# Altium PCB ADCS_PCB_2.PcbDoc (part 1 of 3) (continued)
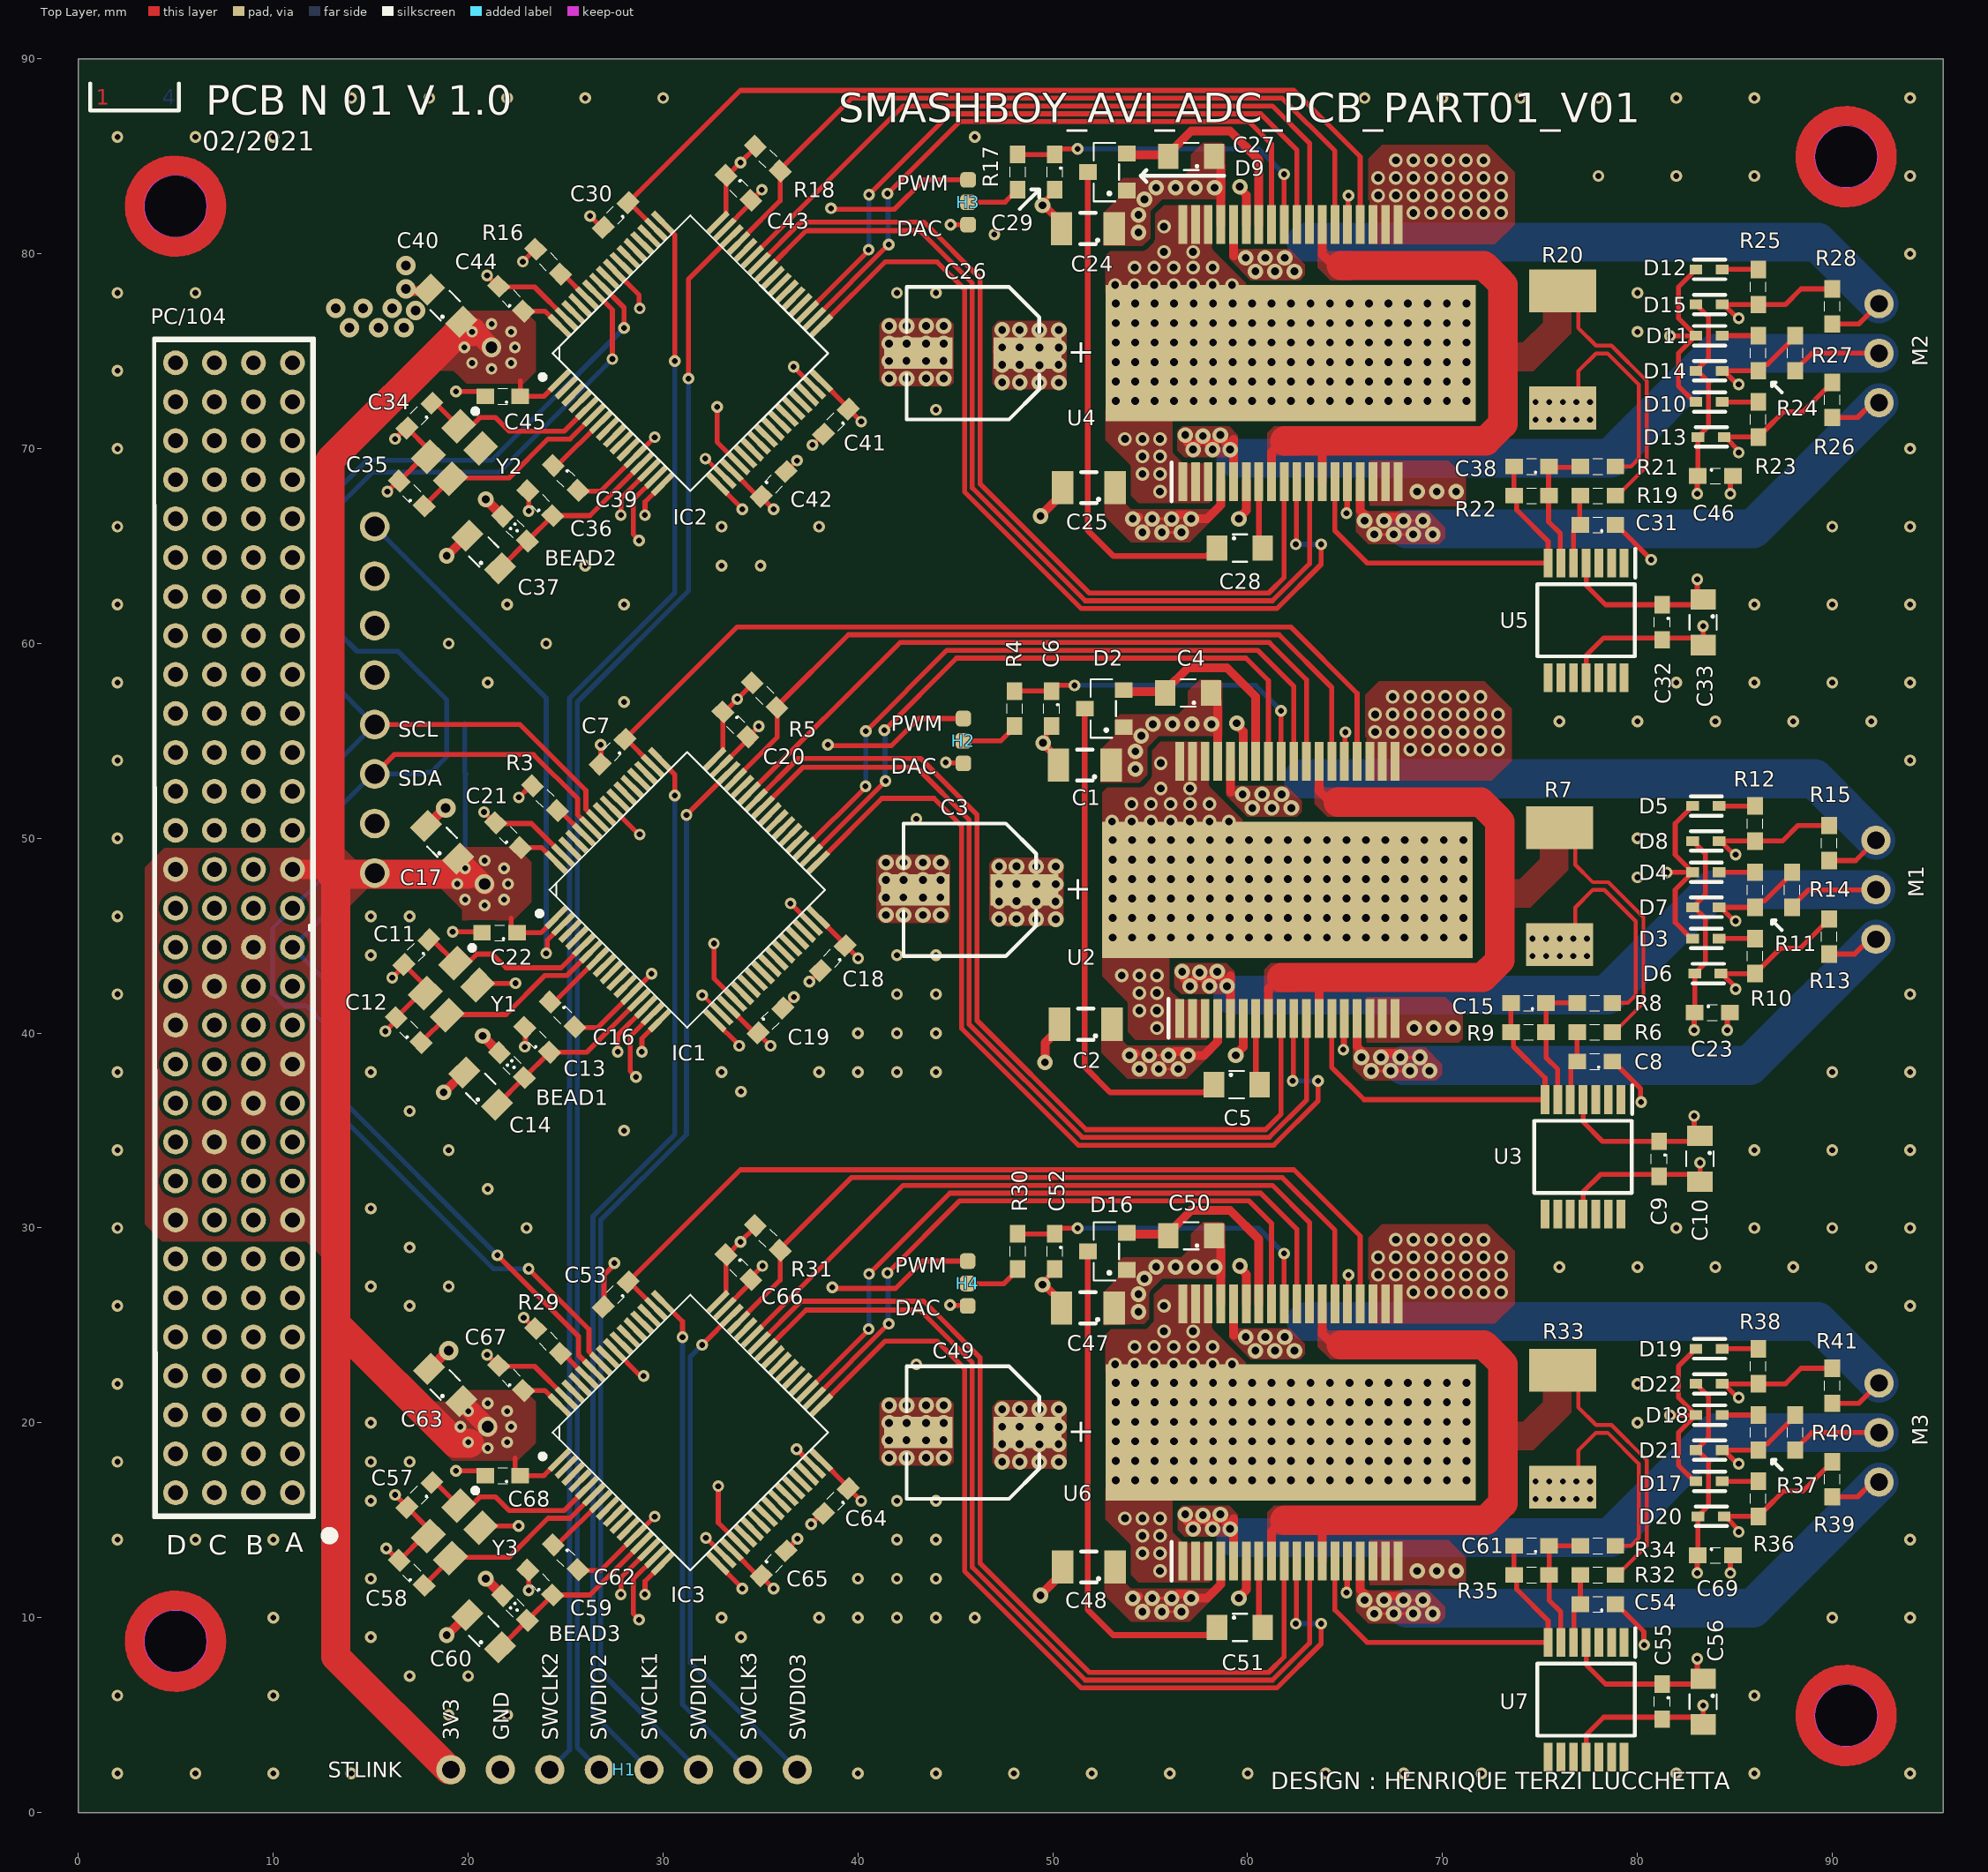
[diagram p0: Top Layer view]
## Nets (pads, with @x,y where several pads share a name; then routed paths per layer and width w, separated by ;. In a path a pad name is that pad's centre, name@x,y a point inside that pad or via, vN(x,y) a via of type N, cw(c..) or ccw(c..) an arc to the next point about the centre after c; other vN are vias at no path point) (continued)
  Top Layer w0.45: C17.1@19.491,48.969 C17.1@19.511,48.969 ; C63.1@19.651,21.109 C63.1@19.671,21.109 ; v5@20.86,47.55 v5@20.86,47.62 ; v5@21.02,19.69 v5@21.02,19.76
  Top Layer w0.5: v3(20.74,39.86) BEAD1.2@21.604,38.996 ; v3(20.9,12) BEAD3.2@21.764,11.136 ; v3(20.9,67.4) BEAD2.2@21.764,66.536
  Top Layer w1: PC/104.17@10.98,48.41 12.76,48.41 12.96,48.21 ; C17.1@19.511,48.969 20.14,48.34 v5@20.86,47.62 ; C63.1@19.615,21.109 C63.1@19.651,21.109 ; C63.1@19.671,21.109 v5@21.02,19.76 ; v2(20.2,76) 20.4,76 v5(21.2,75.2)
  Top Layer w1.5: 12.9,48.27 12.9,69.4 19.5,76 v2(20.2,76) ; 12.96,48.21 13.02,48.15 13.2,48.15 ; H1.1@19.11,2.2 19,2.2 13.2,8 13.2,25.1 ; 19.95,48.15 15.2,48.15 13.2,48.15 ; v2@20.05,18.95 19.35,18.95 13.2,25.1 ; 13.2,25.1 13.2,48.15
  Int2 (PWR) w0.254: 21.21,46.05 21.31,45.95 ; 21.37,18.19 21.47,18.09
  Int2 (PWR) w0.8: 20.74,40.85 37.01,40.85 ; 20.9,12.99 37.17,12.99 ; 20.9,68.39 37.17,68.39 ; 21.4,21.3 25.98,21.3 v2(33.97,29.29) ; 21.5,49.156 25.816,49.156 v2(33.81,57.15) ; 22.353,76.688 25.968,76.688 v2(33.97,84.69) ; v2(35.51,39.35) 37.01,40.85 ; v2(35.67,11.49) 37.17,12.99 ; v2(35.67,66.89) 37.17,68.39 ; v2(40.01,43.85) 37.01,40.85 ; v2(40.17,15.99) 37.17,12.99 ; v2(40.17,71.39) 37.17,68.39
  Int2 (PWR) w1: 80.01,32.45 82.91,35.35 v2(82.91,35.75) v2(82.91,40.15) ; 80.17,4.59 83.07,7.49 v2(83.07,7.89) v2(83.07,12.29) ; 80.17,59.99 83.07,62.89 v2(83.07,63.29) v2(83.07,67.69)
  Int2 (PWR) w1.5: 27.01,32.45 79.35,32.45 ; 27.17,4.59 79.51,4.59 ; 27.17,59.99 79.51,59.99
  Int2 (PWR) w2: v5@20.74,47.56 20.74,40.85 v3(20.74,39.86) 20.74,38.72 26.26,33.2 ; v5@20.9,19.7 20.9,12.99 v3(20.9,12) 20.9,10.86 26.42,5.34 ; v5(21.2,75.2) 21.75,74.65 ; 21.71,74.4 20.9,73.59 20.9,68.39 v3(20.9,67.4) 20.9,66.26 26.42,60.74
  Bottom Layer w0.254: v2@19.8,48.5 19.84,48.54 19.84,53.32 R2.2@19.82,53.34 ; R1.2@19.82,55.89 19.82,53.38 R2.2@19.9,53.3
  other v2: 21,18.7 20,19 22,19 19.6,19.8 22.2,19.8 20,20.6 22,20.6 21,21 20.84,46.56 19.84,46.86 21.84,46.86 19.44,47.66 22.04,47.66 19.84,48.46 21.84,48.46 20.84,48.86 21.2,74.1 20.2,74.4 22.2,74.4 19.8,75.2 22.4,75.2 22.2,76 21.2,76.4
  other v5: 21,19.8 20.84,47.66
12V: C1.1 C2.1 C3.2 C4.1 C24.1 C25.1 C26.2 C27.1 C47.1 C48.1 C49.2 C50.1 D1.2 D2.1 D9.1 D16.1 PC/104.29 PC/104.30 U2.4 U2.33 U4.4 U4.33 U6.4 U6.33 | length 118
  Top Layer w0.127: C3.2@46.812,47.45 46.853,47.45 47.022,47.618 C3.2@47.022,47.66 ; C49.2@46.972,19.59 47.013,19.59 47.182,19.758 C49.2@47.182,19.8 ; C26.2@46.972,74.99 47.013,74.99 47.182,75.158 C26.2@47.182,75.2 ; C3.2@47.34,46.76 C3.2@47.64,47.06 ; C49.2@47.5,18.9 C49.2@47.8,19.2 ; C26.2@47.5,74.3 C26.2@47.8,74.6 ; C3.2@47.631,47.069 C3.2@47.64,47.06 ; C49.2@47.791,19.209 C49.2@47.8,19.2 ; C26.2@47.791,74.609 C26.2@47.8,74.6 ; C3.2@47.931,46.769 C3.2@47.64,47.06 ; C49.2@48.091,18.909 C49.2@47.8,19.2 ; C26.2@48.091,74.309 C26.2@47.8,74.6 ; C3.2@48.24,47.66 C3.2@47.64,47.06 ; C49.2@48.4,19.8 C49.2@47.8,19.2 ; C26.2@48.4,75.2 C26.2@47.8,74.6 ; C3.2@48.931,47.069 49.24,46.76 C3.2@49.54,47.06 ; C49.2@49.091,19.209 49.4,18.9 C49.2@49.7,19.2 ; C26.2@49.091,74.609 49.4,74.3 C26.2@49.7,74.6 ; C3.2@49.531,47.069 C3.2@49.54,47.06 ; C49.2@49.691,19.209 C49.2@49.7,19.2 ; C26.2@49.691,74.609 C26.2@49.7,74.6 ; C3.2@49.831,46.769 C3.2@49.54,47.06 ; C49.2@49.991,18.909 C49.2@49.7,19.2 ; C26.2@49.991,74.309 C26.2@49.7,74.6 ; C3.2@50.14,47.66 C3.2@49.54,47.06 ; C49.2@50.3,19.8 C49.2@49.7,19.2 ; C26.2@50.3,75.2 C26.2@49.7,74.6 ; v3(54.44,38.16) 54.44,38.26 54.89,38.71 54.94,38.71 v3(54.94,38.86) ; v3(54.6,10.3) 54.6,10.4 55.05,10.85 55.1,10.85 v3(55.1,11) ; v3(54.6,65.7) 54.6,65.8 55.05,66.25 55.1,66.25 v3(55.1,66.4) ; v3@54.965,38.685 55.14,38.86 v3(55.94,38.86) 55.94,38.76 55.44,38.26 v3(55.44,38.16) v3(56.44,38.16) ; v3@55.125,10.825 55.3,11 v3(56.1,11) 56.1,10.9 55.6,10.4 v3(55.6,10.3) v3(56.6,10.3) ; v3@55.125,66.225 55.3,66.4 v3(56.1,66.4) 56.1,66.3 55.6,65.8 v3(55.6,65.7) v3(56.6,65.7)
  Top Layer w0.308: C3.2@46.94,47.66 47.022,47.66 v3(47.24,47.66) 48.24,47.66 48.24,46.778 48.222,46.76 C3.2@47.931,46.76 ; C49.2@47.1,19.8 47.182,19.8 v3(47.4,19.8) 48.4,19.8 48.4,18.918 48.382,18.9 C49.2@48.091,18.9 ; C26.2@47.1,75.2 47.182,75.2 v3(47.4,75.2) 48.4,75.2 48.4,74.318 48.382,74.3 C26.2@48.091,74.3 ; C3.2@49.14,47.66 49.24,47.66 50.14,47.66 50.14,46.778 50.122,46.76 C3.2@49.831,46.76 ; C49.2@49.3,19.8 49.4,19.8 50.3,19.8 50.3,18.918 50.282,18.9 C49.2@49.991,18.9 ; C26.2@49.3,75.2 49.4,75.2 50.3,75.2 50.3,74.318 50.282,74.3 C26.2@49.991,74.3
  Top Layer w0.45: v3(53.94,38.86) 54.007,38.927 54.207,38.927 v3@54.24,38.96 ; v3(54.1,11) 54.167,11.067 54.367,11.067 v3@54.4,11.1 ; v3(54.1,66.4) 54.167,66.467 54.367,66.467 v3@54.4,66.5 ; v3(55.94,38.86) 56.035,38.86 56.235,39.06 v3@56.84,39.06 ; v3(56.1,11) 56.195,11 56.395,11.2 v3@57,11.2 ; v3(56.1,66.4) 56.195,66.4 56.395,66.6 v3@57,66.6 ; v3(56.94,38.86) 57.753,38.86 58.465,39.572 U2.4@58.465,40.76 ; v3(57.1,11) 57.913,11 58.625,11.712 U6.4@58.625,12.9 ; v3(57.1,66.4) 57.913,66.4 58.625,67.112 U4.4@58.625,68.3 ; C4.1@58.115,57.46 58.115,57.335 58.465,56.985 U2.33@58.465,53.96 ; C50.1@58.275,29.6 58.275,29.475 58.625,29.125 U6.33@58.625,26.1 ; C27.1@58.275,85 58.275,84.875 58.625,84.525 U4.33@58.625,81.5
  Int2 (PWR) w2: v3@49.84,47.651 v3@49.84,48.551 ; v3@50,19.791 v3@50,20.691 ; v3@50,75.191 v3@50,76.091 ; 52.939,54.458 53.34,54.458 ; 53.099,26.598 53.5,26.598 ; 53.099,81.998 53.5,81.998
  Int2 (PWR) w4: v3@49.84,47.651 49.84,46.76 49.84,45.86 49.84,42.06 53.04,38.86 ; v3@49.84,48.551 49.84,51.359 52.939,54.458 ; v3@50,19.791 50,18.9 50,18 50,14.2 53.2,11 ; v3@50,20.691 50,23.499 53.099,26.598 ; v3@50,75.191 50,74.3 50,73.4 50,69.6 53.2,66.4 ; v3@50,76.091 50,78.899 53.099,81.998
  other v3: 47.4,18 48.3,18 49.309,17.991 50.309,17.991 47.4,18.9 49.309,18.891 50.3,18.9 48.291,18.909 49.309,19.791 50.309,19.791 48.3,19.8 47.4,20.7 48.3,20.7 49.309,20.691 50.309,20.691 54.4,25.7 54.4,26.6 54.7,27.4 55.3,28 56.3,28 57.3,28 58.3,28 49.149,45.851 50.149,45.851 47.24,45.86 48.14,45.86 47.24,46.76 49.149,46.751 50.14,46.76 48.131,46.769 49.149,47.651 50.149,47.651 48.14,47.66 47.24,48.56 48.14,48.56 49.149,48.551 50.149,48.551 54.24,53.56 54.24,54.46 54.54,55.26 55.14,55.86 56.14,55.86 57.14,55.86 58.14,55.86 47.4,73.4 48.3,73.4 49.309,73.391 50.309,73.391 47.4,74.3 49.309,74.291 50.3,74.3 48.291,74.309 48.3,75.2 49.309,75.191 50.309,75.191 47.4,76.1 48.3,76.1 49.309,76.091 50.309,76.091 54.4,81.1 54.4,82 54.7,82.8 55.3,83.4 56.3,83.4 57.3,83.4 58.3,83.4
BEMF1_M1: D6.1 IC1.14 R10.1 R13.1 | length 74.1
  Top Layer w0.254: v2(27.673,39.05) 27.673,39.904 IC1.14@29.119,41.35 ; D6.1@84.29,43.06 D6.1@84.365,43.06 ; v2(85.04,42.26) 84.974,42.326 84.974,42.426 84.488,42.912 84.488,42.937 D6.1@84.365,43.06 ; R13.1@89.84,45.86 89.84,45.81 89.567,45.537 89.517,45.537 88.34,44.36 87.34,44.36 86.363,43.383 86.313,43.383 86.04,43.11 R10.1@86.04,43.06 D6.1@84.365,43.06
  Int2 (PWR) w0.254: v2(27.673,39.05) 27.673,37.787 31.11,34.35 74.31,34.35 82.22,42.26 84.92,42.26 v2@85.01,42.35
BEMF1_M2: D13.1 IC2.14 R23.1 R26.1 | length 74.1
  Top Layer w0.254: v2(27.833,66.59) 27.833,67.444 IC2.14@29.279,68.89 ; D13.1@84.45,70.6 D13.1@84.525,70.6 ; v2(85.2,69.8) 85.134,69.866 85.134,69.966 84.648,70.452 84.648,70.477 D13.1@84.525,70.6 ; R26.1@90,73.4 90,73.35 89.727,73.077 89.677,73.077 88.5,71.9 87.5,71.9 86.523,70.923 86.473,70.923 86.2,70.65 R23.1@86.2,70.6 D13.1@84.525,70.6
  Int2 (PWR) w0.254: v2(27.833,66.59) 27.833,65.327 31.27,61.89 74.47,61.89 82.38,69.8 85.08,69.8 v2@85.17,69.89
BEMF1_M3: D20.1 IC3.14 R36.1 R39.1 | length 74.1
  Top Layer w0.254: v2(27.833,11.19) 27.833,12.044 IC3.14@29.279,13.49 ; D20.1@84.45,15.2 D20.1@84.525,15.2 ; v2(85.2,14.4) 85.134,14.466 85.134,14.566 84.648,15.052 84.648,15.077 D20.1@84.525,15.2 ; R39.1@90,18 90,17.95 89.727,17.677 89.677,17.677 88.5,16.5 87.5,16.5 86.523,15.523 86.473,15.523 86.2,15.25 R36.1@86.2,15.2 D20.1@84.525,15.2
  Int2 (PWR) w0.254: v2(27.833,11.19) 27.833,9.927 31.27,6.49 74.47,6.49 82.38,14.4 85.08,14.4 v2@85.17,14.49
BEMF2_M1: D7.1 IC1.15 R11.1 R14.1 | length 71.7
  Top Layer w0.254: v2(28.61,37.75) 28.61,37.772 28.31,38.072 28.31,39.834 IC1.15@29.472,40.996 ; D7.1@84.19,46.46 D7.1@84.265,46.46 ; v2(85.04,45.76) 84.965,45.76 D7.1@84.265,46.46 ; R14.1@87.94,48.26 87.94,48.21 86.513,46.783 86.313,46.783 86.04,46.51 R11.1@86.04,46.46 D7.1@84.265,46.46
  Int2 (PWR) w0.254: v2(28.61,37.75) 31.51,34.85 74.21,34.85 85.04,45.68 v2(85.04,45.76)
BEMF2_M2: D14.1 IC2.15 R24.1 R27.1 | length 71.7
  Top Layer w0.254: v2(28.77,65.29) 28.77,65.312 28.47,65.612 28.47,67.374 IC2.15@29.632,68.536 ; D14.1@84.35,74 D14.1@84.425,74 ; v2(85.2,73.3) 85.125,73.3 D14.1@84.425,74 ; R27.1@88.1,75.8 88.1,75.75 86.673,74.323 86.473,74.323 86.2,74.05 R24.1@86.2,74 D14.1@84.425,74
  Int2 (PWR) w0.254: v2(28.77,65.29) 31.67,62.39 74.37,62.39 85.2,73.22 v2(85.2,73.3)
BEMF2_M3: D21.1 IC3.15 R37.1 R40.1 | length 71.7
  Top Layer w0.254: v2(28.77,9.89) 28.77,9.912 28.47,10.212 28.47,11.974 IC3.15@29.632,13.136 ; D21.1@84.35,18.6 D21.1@84.425,18.6 ; v2(85.2,17.9) 85.125,17.9 D21.1@84.425,18.6 ; R40.1@88.1,20.4 88.1,20.35 86.673,18.923 86.473,18.923 86.2,18.65 R37.1@86.2,18.6 D21.1@84.425,18.6
  Int2 (PWR) w0.254: v2(28.77,9.89) 31.67,6.99 74.37,6.99 85.2,17.82 v2(85.2,17.9)
BEMF3_M1: D8.1 IC1.16 R12.1 R15.1 | length 74.3
  Top Layer w0.254: v2(28.91,39.05) 28.914,39.054 28.914,39.731 IC1.16@29.826,40.642 ; D8.1@84.19,49.86 84.265,49.86 84.965,49.16 v2(85.04,49.16) ; D8.1@84.313,49.86 R12.1@86.04,49.86 87.44,49.86 88.24,50.66 R15.1@89.84,50.66
  Int2 (PWR) w0.254: v2(28.91,39.05) 28.91,38.35 31.91,35.35 74.01,35.35 84.01,45.35 84.01,48.13 84.927,49.047 v2@84.927,49.133
BEMF3_M2: D15.1 IC2.16 R25.1 R28.1 | length 74.3
  Top Layer w0.254: v2(29.07,66.59) 29.074,66.594 29.074,67.271 IC2.16@29.986,68.182 ; D15.1@84.35,77.4 84.425,77.4 85.125,76.7 v2(85.2,76.7) ; D15.1@84.473,77.4 R25.1@86.2,77.4 87.6,77.4 88.4,78.2 R28.1@90,78.2
  Int2 (PWR) w0.254: v2(29.07,66.59) 29.07,65.89 32.07,62.89 74.17,62.89 84.17,72.89 84.17,75.67 85.087,76.587 v2@85.087,76.673
BEMF3_M3: D22.1 IC3.16 R38.1 R41.1 | length 74.3
  Top Layer w0.254: v2(29.07,11.19) 29.074,11.194 29.074,11.871 IC3.16@29.986,12.782 ; D22.1@84.35,22 84.425,22 85.125,21.3 v2(85.2,21.3) ; D22.1@84.473,22 R38.1@86.2,22 87.6,22 88.4,22.8 R41.1@90,22.8
  Int2 (PWR) w0.254: v2(29.07,11.19) 29.07,10.49 32.07,7.49 74.17,7.49 84.17,17.49 84.17,20.27 85.087,21.187 v2@85.087,21.273
C_REF_M1: H2.2 R4.2 | length 2.9
  Top Layer w0.254: H2.2@45.41,55 47.33,55 R4.2@48.04,55.71
C_REF_M2: H3.2 R17.2 | length 2.9
  Top Layer w0.254: H3.2@45.636,82.656 47.556,82.656 R17.2@48.266,83.366
C_REF_M3: H4.2 R30.2 | length 2.9
  Top Layer w0.254: H4.2@45.57,27.14 47.49,27.14 R30.2@48.2,27.85
CP+_M1: C15.2 R9.2 U2.13 U3.7 | length 19.7
  Top Layer w0.254: U2.13@64.315,40.76 64.315,38.245 65.972,36.588 U3.7@75.26,36.588 75.26,37.7 73.642,39.318 73.642,39.818 R9.2@73.51,39.95 ; R9.2@73.51,40.05 C15.2@73.51,41.55
CP+_M2: C38.2 R22.2 U4.13 U5.7 | length 19.7
  Top Layer w0.254: U4.13@64.475,68.3 64.475,65.785 66.132,64.128 U5.7@75.42,64.128 75.42,65.24 73.802,66.858 73.802,67.358 R22.2@73.67,67.49 ; R22.2@73.67,67.59 C38.2@73.67,69.09
CP+_M3: C61.2 R35.2 U6.13 U7.7 | length 19.7
  Top Layer w0.254: U6.13@64.475,12.9 64.475,10.385 66.132,8.728 U7.7@75.42,8.728 75.42,9.84 73.802,11.458 73.802,11.958 R35.2@73.67,12.09 ; R35.2@73.67,12.19 C61.2@73.67,13.69
CPOUT_M1: IC1.45 R5.1 U2.24 | length 39.2
  Top Layer w0.254: IC1.45@33.963,53.297 35.846,55.181 35.846,56.257 35.882,56.292 35.882,56.678 R5.1@35.846,56.714 ; R5.1@35.81,56.75 39.51,60.45 61.61,60.45 64.315,57.745 U2.24@64.315,53.96
CPOUT_M2: IC2.45 R18.1 U4.24 | length 39.2
  Top Layer w0.254: IC2.45@34.123,80.837 36.006,82.721 36.006,83.797 36.042,83.832 36.042,84.218 R18.1@36.006,84.254 ; R18.1@35.97,84.29 39.67,87.99 61.77,87.99 64.475,85.285 U4.24@64.475,81.5
CPOUT_M3: IC3.45 R31.1 U6.24 | length 39.2
  Top Layer w0.254: IC3.45@34.123,25.437 36.006,27.321 36.006,28.397 36.042,28.432 36.042,28.818 R31.1@36.006,28.854 ; R31.1@35.97,28.89 39.67,32.59 61.77,32.59 64.475,29.885 U6.24@64.475,26.1
DAC_M1: H2.3 IC1.20 | length 21
  Top Layer w0.254: v2(32.61,44.6) 32.61,42.808 IC1.20@33.715,41.703 ; v2(44.51,53.9) 44.535,53.875 45.385,53.875 H2.3@45.41,53.85
  Int2 (PWR) w0.254: v2(32.61,44.6) 32.61,46.25 40.26,53.9 v2(44.51,53.9)
DAC_M2: H3.3 IC2.20 | length 21
  Top Layer w0.254: v2(32.77,72.14) 32.77,70.348 IC2.20@33.875,69.243 ; v2(44.75,81.5) 45.46,81.5 H3.3@45.545,81.415
  Int2 (PWR) w0.254: v2(32.77,72.14) 32.77,73.79 40.48,81.5 v2(44.75,81.5)
DAC_M3: H4.3 IC3.20 | length 21
  Top Layer w0.254: v2(32.83,16.75) 32.83,14.87 33.857,13.843 IC3.20@33.875,13.843 ; v2(44.73,26.05) 44.755,26.025 45.605,26.025 H4.3@45.63,26
  Int2 (PWR) w0.254: v2(32.83,16.75) 32.83,18.4 40.48,26.05 v2(44.73,26.05)
DIAG/EN_M1: C7.1 IC1.50 U2.22 | length 46.7
  Top Layer w0.254: C7.1@28.01,55.15 28.046,55.15 IC1.50@29.472,53.724 ; C7.1@28.198,55.238 33.81,60.85 62.21,60.85 65.615,57.445 U2.22@65.615,53.96
DIAG/EN_M2: C30.1 IC2.50 U4.22 | length 46.7
  Top Layer w0.254: C30.1@28.17,82.69 28.206,82.69 IC2.50@29.632,81.264 ; C30.1@28.358,82.778 33.97,88.39 62.37,88.39 65.775,84.985 U4.22@65.775,81.5
DIAG/EN_M3: C53.1 IC3.50 U6.22 | length 46.7
  Top Layer w0.254: C53.1@28.17,27.29 28.206,27.29 IC3.50@29.632,25.864 ; C53.1@28.358,27.378 33.97,32.99 62.37,32.99 65.775,29.585 U6.22@65.775,26.1
EN1_M1: IC1.33 U2.10 | length 47
  Top Layer w0.254: IC1.33@37.958,48.774 41.233,52.05 43.91,52.05 45.31,50.65 45.31,40.25 51.31,34.25 61.337,34.25 63.61,36.523 v2(63.61,37.55) ; v2(62.31,37.55) 62.337,37.578 62.337,40.733 U2.10@62.365,40.76
  Bottom Layer w0.254: v2(62.31,37.55) v2(63.61,37.55)
EN1_M2: IC2.33 U4.10 | length 47
  Top Layer w0.254: IC2.33@38.118,76.314 41.393,79.59 44.07,79.59 45.47,78.19 45.47,67.79 51.47,61.79 61.497,61.79 63.77,64.063 v2(63.77,65.09) ; v2(62.47,65.09) 62.498,65.117 62.498,68.272 U4.10@62.525,68.3
  Bottom Layer w0.254: v2(62.47,65.09) v2(63.77,65.09)
EN1_M3: IC3.33 U6.10 | length 47
  Top Layer w0.254: IC3.33@38.118,20.914 41.393,24.19 44.07,24.19 45.47,22.79 45.47,12.39 51.47,6.39 61.497,6.39 63.77,8.663 v2(63.77,9.69) ; v2(62.47,9.69) 62.498,9.718 62.498,12.873 U6.10@62.525,12.9
  Bottom Layer w0.254: v2(62.47,9.69) v2(63.77,9.69)
EN2_M1: IC1.35 U2.27 | length 35.6
  Top Layer w0.254: IC1.35@37.25,49.481 37.25,49.486 40.388,52.624 v2(40.388,52.672) ; v2(40.41,55.5) 44.56,59.65 60.51,59.65 62.365,57.795 U2.27@62.365,53.96
  Bottom Layer w0.254: v2(40.388,52.672) 40.399,52.683 40.399,55.489 v2(40.41,55.5)
EN2_M2: IC2.35 U4.27 | length 35.6
  Top Layer w0.254: IC2.35@37.41,77.021 37.41,77.026 40.548,80.164 v2(40.548,80.212) ; v2(40.57,83.04) 44.72,87.19 60.67,87.19 62.525,85.335 U4.27@62.525,81.5
  Bottom Layer w0.254: v2(40.548,80.212) 40.559,80.223 40.559,83.029 v2(40.57,83.04)
EN2_M3: IC3.35 U6.27 | length 35.6
  Top Layer w0.254: IC3.35@37.41,21.621 37.41,21.626 40.548,24.764 v2(40.548,24.812) ; v2(40.57,27.64) 44.72,31.79 60.67,31.79 62.525,29.935 U6.27@62.525,26.1
  Bottom Layer w0.254: v2(40.548,24.812) 40.559,24.823 40.559,27.629 v2(40.57,27.64)
EN3_M1: IC1.34 U2.29 | length 33.9
  Top Layer w0.254: IC1.34@37.604,49.128 v2(41.418,52.942) ; v2(41.36,55.55) 45.06,59.25 59.91,59.25 61.065,58.095 U2.29@61.065,53.96
  Bottom Layer w0.254: v2(41.36,55.55) 41.389,55.521 41.389,52.971 v2(41.418,52.942)
EN3_M2: IC2.34 U4.29 | length 33.9
  Top Layer w0.254: IC2.34@37.764,76.668 v2(41.578,80.482) ; v2(41.52,83.09) 45.22,86.79 60.07,86.79 61.225,85.635 U4.29@61.225,81.5
  Bottom Layer w0.254: v2(41.52,83.09) 41.549,83.061 41.549,80.511 v2(41.578,80.482)
EN3_M3: IC3.34 U6.29 | length 33.9
  Top Layer w0.254: IC3.34@37.764,21.268 v2(41.578,25.082) ; v2(41.52,27.69) 45.22,31.39 60.07,31.39 61.225,30.235 U6.29@61.225,26.1
  Bottom Layer w0.254: v2(41.52,27.69) 41.549,27.661 41.549,25.111 v2(41.578,25.082)